# Altium PCB Slave.PcbDoc (part 7 of 10)
Units mm, origin at the board's own origin, x right, y up, seen from the top; angles counter-clockwise.
Board outline 380 x 63 mm, 4 copper layers (Top Copper, Signal Layer 1, Signal Layer 2, Bottom Copper), stack 1.586 mm thick; 259 components, 195 nets, 816 pads, 23336 vias.
Unrouted connection lines stored in the file: 47.
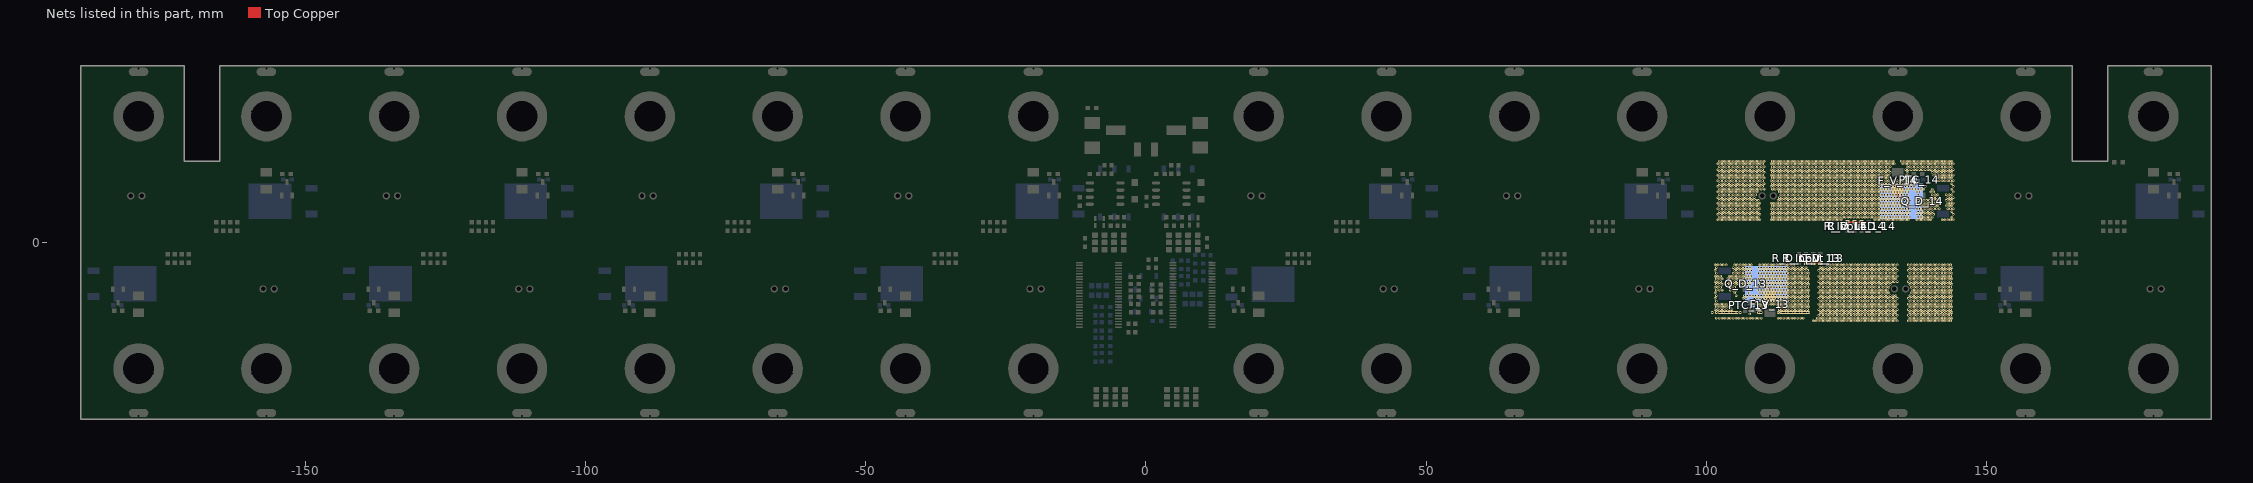
[diagram p9: the nets of this part, all layers, seen from the top]

## Via types
v1: diameter 0.45, hole 0.2, Top Copper to Bottom Copper, tented both sides, 23076 vias
v2: diameter 0.45, hole 0.2, Top Copper to Bottom Copper, 250 vias
v3: diameter 1.2, hole 0.8, Top Copper to Bottom Copper, 10 vias

## Nets (pads, with @x,y where several pads share a name; then routed paths per layer and width w, separated by ;. In a path a pad name is that pad's centre, name@x,y a point inside that pad or via, vN(x,y) a via of type N, cw(c..) or ccw(c..) an arc to the next point about the centre after c; other vN are vias at no path point) (continued)
F_13: C_V_13.2 F_V_13.2 PTC_13.2 Q_D_13.2 R_D_LED_13.2 R_Input_13.1 | length 3.9
  Top Copper w0.254: R_D_LED_13.2@117.75,-3.6 R_Input_13.1@119,-3.6 C_V_13.2@120.25,-3.6
  Top Copper w0.305: F_V_13.2@111.275,-9.48 111.275,-8.1
  other v1: 118.999,-14 119.499,-14 119.999,-14 120.499,-14 120.999,-14 121.499,-14 121.999,-14 122.499,-14 122.999,-14 123.499,-14 123.999,-14 124.499,-14 124.999,-14 125.499,-14 125.999,-14 126.499,-14 126.999,-14 127.499,-14 127.999,-14 128.499,-14 128.999,-14 129.499,-14 129.999,-14 130.499,-14 130.999,-14 131.499,-14 131.999,-14 132.499,-14 132.999,-14 133.499,-14 133.999,-14 135.999,-14 136.499,-14 136.999,-14 137.499,-14 137.999,-14 138.499,-14 138.999,-14 139.499,-14 139.999,-14 140.499,-14 140.999,-14 141.499,-14 141.999,-14 142.499,-14 142.999,-14 143.499,-14 101.749,-13.5 102.249,-13.5 102.749,-13.5 103.249,-13.5 103.749,-13.5 104.249,-13.5 104.749,-13.5 105.249,-13.5 105.749,-13.5 106.249,-13.5 106.749,-13.5 107.249,-13.5 107.749,-13.5 108.249,-13.5 108.749,-13.5 109.249,-13.5 109.749,-13.5 112.749,-13.5 113.249,-13.5 113.749,-13.5 114.249,-13.5 114.749,-13.5 115.249,-13.5 115.749,-13.5 116.249,-13.5 116.749,-13.5 117.249,-13.5 119.749,-13.5 120.249,-13.5 120.749,-13.5 121.249,-13.5 121.749,-13.5 122.249,-13.5 122.749,-13.5 123.249,-13.5 123.749,-13.5 124.249,-13.5 124.749,-13.5 125.249,-13.5 125.749,-13.5 126.249,-13.5 126.749,-13.5 127.249,-13.5 127.749,-13.5 128.249,-13.5 128.749,-13.5 129.249,-13.5 129.749,-13.5 130.249,-13.5 130.749,-13.5 131.249,-13.5 131.749,-13.5 132.249,-13.5 132.749,-13.5 133.249,-13.5 133.749,-13.5 136.249,-13.5 136.749,-13.5 137.249,-13.5 137.749,-13.5 138.249,-13.5 138.749,-13.5 139.249,-13.5 139.749,-13.5 140.249,-13.5 140.749,-13.5 141.249,-13.5 141.749,-13.5 142.249,-13.5 142.749,-13.5 143.249,-13.5 143.749,-13.5 119.999,-13 120.499,-13 120.999,-13 121.499,-13 121.999,-13 122.499,-13 122.999,-13 123.499,-13 123.999,-13 124.499,-13 124.999,-13 125.499,-13 125.999,-13 126.499,-13 126.999,-13 127.499,-13 127.999,-13 128.499,-13 128.999,-13 129.499,-13 129.999,-13 130.499,-13 130.999,-13 131.499,-13 131.999,-13 132.499,-13 132.999,-13 133.499,-13 133.999,-13 135.999,-13 136.499,-13 136.999,-13 137.499,-13 137.999,-13 138.499,-13 138.999,-13 139.499,-13 139.999,-13 140.499,-13 140.999,-13 141.499,-13 141.999,-13 142.499,-13 142.999,-13 143.499,-13 107.658,-12.745 101,-12.5 101.749,-12.5 102.249,-12.5 102.5,-12.5 102.749,-12.5 103,-12.5 103.249,-12.5 103.5,-12.5 103.749,-12.5 104,-12.5 104.249,-12.5 104.5,-12.5 104.749,-12.5 105,-12.5 105.249,-12.5 105.5,-12.5 106,-12.5 109.249,-12.5 109.5,-12.5 109.749,-12.5 112.749,-12.5 113.249,-12.5 113.5,-12.5 113.749,-12.5 114,-12.5 114.249,-12.5 114.5,-12.5 114.749,-12.5 115,-12.5 115.249,-12.5 115.5,-12.5 115.749,-12.5 116,-12.5 116.249,-12.5 116.5,-12.5 116.749,-12.5 117,-12.5 117.249,-12.5 117.5,-12.5 117.749,-12.5 118,-12.5 118.249,-12.5 120.249,-12.5 120.749,-12.5 121.249,-12.5 121.749,-12.5 122.249,-12.5 122.749,-12.5 123.249,-12.5 123.749,-12.5 124.249,-12.5 124.749,-12.5 125.249,-12.5 125.749,-12.5 126.249,-12.5 126.749,-12.5 127.249,-12.5 127.749,-12.5 128.249,-12.5 128.749,-12.5 129.249,-12.5 129.749,-12.5 130.249,-12.5 130.749,-12.5 131.249,-12.5 131.749,-12.5 132.249,-12.5 132.749,-12.5 133.249,-12.5 133.749,-12.5 136.249,-12.5 136.749,-12.5 137.249,-12.5 137.749,-12.5 138.249,-12.5 138.749,-12.5 139.249,-12.5 139.749,-12.5 140.249,-12.5 140.749,-12.5 141.249,-12.5 141.749,-12.5 142.249,-12.5 142.749,-12.5 143.249,-12.5 143.749,-12.5 101.499,-12 101.999,-12 102.499,-12 102.999,-12 103.499,-12 103.999,-12 104.499,-12 109.499,-12 112.999,-12 113.499,-12 113.999,-12 114.499,-12 114.999,-12 115.499,-12 115.999,-12 116.499,-12 116.999,-12 117.499,-12 117.999,-12 119.999,-12 120.499,-12 120.999,-12 121.499,-12 121.999,-12 122.499,-12 122.999,-12 123.499,-12 123.999,-12 124.499,-12 124.999,-12 125.499,-12 125.999,-12 126.499,-12 126.999,-12 127.499,-12 127.999,-12 128.499,-12 128.999,-12 129.499,-12 129.999,-12 130.499,-12 130.999,-12 131.499,-12 131.999,-12 132.499,-12 132.999,-12 133.499,-12 133.999,-12 135.999,-12 136.499,-12 136.999,-12 137.499,-12 137.999,-12 138.499,-12 138.999,-12 139.499,-12 139.999,-12 140.499,-12 140.999,-12 141.499,-12 141.999,-12 142.499,-12 142.999,-12 143.499,-12 107.652,-11.721 101.749,-11.5 102.249,-11.5 102.749,-11.5 103.249,-11.5 103.749,-11.5 104.249,-11.5 109.249,-11.5 109.749,-11.5 112.749,-11.5 113.249,-11.5 113.749,-11.5 114.249,-11.5 114.749,-11.5 115.249,-11.5 115.749,-11.5 116.249,-11.5 116.749,-11.5 117.249,-11.5 117.749,-11.5 118.249,-11.5 120.249,-11.5 120.749,-11.5 121.249,-11.5 121.749,-11.5 122.249,-11.5 122.749,-11.5 123.249,-11.5 123.749,-11.5 124.249,-11.5 124.749,-11.5 125.249,-11.5 125.749,-11.5 126.249,-11.5 126.749,-11.5 127.249,-11.5 127.749,-11.5 128.249,-11.5 128.749,-11.5 129.249,-11.5 129.749,-11.5 130.249,-11.5 130.749,-11.5 131.249,-11.5 131.749,-11.5 132.249,-11.5 132.749,-11.5 133.249,-11.5 133.749,-11.5 136.249,-11.5 136.749,-11.5 137.249,-11.5 137.749,-11.5 138.249,-11.5 138.749,-11.5 139.249,-11.5 139.749,-11.5 140.249,-11.5 140.749,-11.5 141.249,-11.5 141.749,-11.5 142.249,-11.5 142.749,-11.5 143.249,-11.5 143.749,-11.5 101.499,-11 101.999,-11 102.499,-11 102.999,-11 103.499,-11 108.499,-11 108.999,-11 109.499,-11 109.999,-11 110.499,-11 110.999,-11 111.499,-11 111.999,-11 112.499,-11 112.999,-11 113.499,-11 113.999,-11 114.499,-11 114.999,-11 115.499,-11 115.999,-11 116.499,-11 116.999,-11 117.499,-11 117.999,-11 119.999,-11 120.499,-11 120.999,-11 121.499,-11 121.999,-11 122.499,-11 122.999,-11 123.499,-11 123.999,-11 124.499,-11 124.999,-11 125.499,-11 125.999,-11 126.499,-11 126.999,-11 127.499,-11 127.999,-11 128.499,-11 128.999,-11 129.499,-11 129.999,-11 130.499,-11 130.999,-11 131.499,-11 131.999,-11 132.499,-11 132.999,-11 133.499,-11 133.999,-11 135.999,-11 136.499,-11 136.999,-11 137.499,-11 137.999,-11 138.499,-11 138.999,-11 139.499,-11 139.999,-11 140.499,-11 140.999,-11 141.499,-11 141.999,-11 142.499,-11 142.999,-11 143.499,-11 101.749,-10.5 108.749,-10.5 109.249,-10.5 109.749,-10.5 110.249,-10.5 110.749,-10.5 111.249,-10.5 111.749,-10.5 112.249,-10.5 112.749,-10.5 113.249,-10.5 113.749,-10.5 114.249,-10.5 114.749,-10.5 115.249,-10.5 115.749,-10.5 116.249,-10.5 116.749,-10.5 117.249,-10.5 117.749,-10.5 118.249,-10.5 120.249,-10.5 120.749,-10.5 121.249,-10.5 121.749,-10.5 122.249,-10.5 122.749,-10.5 123.249,-10.5 123.749,-10.5 124.249,-10.5 124.749,-10.5 125.249,-10.5 125.749,-10.5 126.249,-10.5 126.749,-10.5 127.249,-10.5 127.749,-10.5 128.249,-10.5 128.749,-10.5 129.249,-10.5 129.749,-10.5 130.249,-10.5 130.749,-10.5 131.249,-10.5 131.749,-10.5 132.249,-10.5 132.749,-10.5 133.249,-10.5 133.749,-10.5 136.249,-10.5 136.749,-10.5 137.249,-10.5 137.749,-10.5 138.249,-10.5 138.749,-10.5 139.249,-10.5 139.749,-10.5 140.249,-10.5 140.749,-10.5 141.249,-10.5 141.749,-10.5 142.249,-10.5 142.749,-10.5 143.249,-10.5 143.749,-10.5 101.499,-10 106.499,-10 106.999,-10 108.499,-10 108.999,-10 109.499,-10 109.999,-10 110.499,-10 110.999,-10 111.499,-10 111.999,-10 112.499,-10 112.999,-10 113.499,-10 113.999,-10 114.499,-10 114.999,-10 115.499,-10 115.999,-10 116.499,-10 116.999,-10 117.499,-10 117.999,-10 119.999,-10 120.499,-10 120.999,-10 121.499,-10 121.999,-10 122.499,-10 122.999,-10 123.499,-10 123.999,-10 124.499,-10 124.999,-10 125.499,-10 125.999,-10 126.499,-10 126.999,-10 127.499,-10 127.999,-10 128.499,-10 128.999,-10 129.499,-10 129.999,-10 130.499,-10 130.999,-10 131.499,-10 131.999,-10 132.499,-10 132.999,-10 133.499,-10 133.999,-10 135.999,-10 136.499,-10 136.999,-10 137.499,-10 137.999,-10 138.499,-10 138.999,-10 139.499,-10 139.999,-10 140.499,-10 140.999,-10 141.499,-10 141.999,-10 142.499,-10 142.999,-10 143.499,-10 101.749,-9.5 105.249,-9.5 106.749,-9.5 107.249,-9.5 107.749,-9.5 108.249,-9.5 108.749,-9.5 109.249,-9.5 109.749,-9.5 110.249,-9.5 110.749,-9.5 111.249,-9.5 111.749,-9.5 112.249,-9.5 112.749,-9.5 113.249,-9.5 113.749,-9.5 114.249,-9.5 114.749,-9.5 115.249,-9.5 115.749,-9.5 116.249,-9.5 116.749,-9.5 117.249,-9.5 117.749,-9.5 118.249,-9.5 120.249,-9.5 120.749,-9.5 121.249,-9.5 121.749,-9.5 122.249,-9.5 122.749,-9.5 123.249,-9.5 123.749,-9.5 124.249,-9.5 124.749,-9.5 125.249,-9.5 125.749,-9.5 126.249,-9.5 126.749,-9.5 127.249,-9.5 127.749,-9.5 128.249,-9.5 128.749,-9.5 129.249,-9.5 129.749,-9.5 130.249,-9.5 130.749,-9.5 131.249,-9.5 131.749,-9.5 132.249,-9.5 132.749,-9.5 133.249,-9.5 133.749,-9.5 136.249,-9.5 136.749,-9.5 137.249,-9.5 137.749,-9.5 138.249,-9.5 138.749,-9.5 139.249,-9.5 139.749,-9.5 140.249,-9.5 140.749,-9.5 141.249,-9.5 141.749,-9.5 142.249,-9.5 142.749,-9.5 143.249,-9.5 143.749,-9.5 101.499,-9 104.999,-9 107.499,-9 109.499,-9 109.999,-9 110.499,-9 110.999,-9 111.499,-9 111.999,-9 112.499,-9 112.999,-9 113.499,-9 113.999,-9 114.499,-9 114.999,-9 115.499,-9 115.999,-9 116.499,-9 116.999,-9 117.499,-9 117.999,-9 119.999,-9 120.499,-9 120.999,-9 121.499,-9 121.999,-9 122.499,-9 122.999,-9 123.499,-9 123.999,-9 124.499,-9 124.999,-9 125.499,-9 125.999,-9 126.499,-9 126.999,-9 127.499,-9 127.999,-9 128.499,-9 128.999,-9 129.499,-9 129.999,-9 130.499,-9 130.999,-9 131.499,-9 131.999,-9 132.499,-9 136.499,-9 136.999,-9 137.499,-9 137.999,-9 138.499,-9 138.999,-9 139.499,-9 139.999,-9 140.499,-9 140.999,-9 141.499,-9 141.999,-9 142.499,-9 142.999,-9 143.499,-9 101.749,-8.5 102.249,-8.5 102.749,-8.5 104.249,-8.5 104.749,-8.5 105.249,-8.5 107.749,-8.5 109.249,-8.5 109.749,-8.5 110.249,-8.5 110.749,-8.5 111.249,-8.5 111.749,-8.5 112.249,-8.5 112.749,-8.5 113.249,-8.5 113.749,-8.5 114.249,-8.5 114.749,-8.5 115.249,-8.5 115.749,-8.5 116.249,-8.5 116.749,-8.5 117.249,-8.5 117.749,-8.5 118.249,-8.5 120.249,-8.5 120.749,-8.5 121.249,-8.5 121.749,-8.5 122.249,-8.5 122.749,-8.5 123.249,-8.5 123.749,-8.5 124.249,-8.5 124.749,-8.5 125.249,-8.5 125.749,-8.5 126.249,-8.5 126.749,-8.5 127.249,-8.5 127.749,-8.5 128.249,-8.5 128.749,-8.5 129.249,-8.5 129.749,-8.5 130.249,-8.5 130.749,-8.5 131.249,-8.5 131.749,-8.5 132.249,-8.5 136.749,-8.5 137.249,-8.5 137.749,-8.5 138.249,-8.5 138.749,-8.5 139.249,-8.5 139.749,-8.5 140.249,-8.5 140.749,-8.5 141.249,-8.5 141.749,-8.5 142.249,-8.5 142.749,-8.5 143.249,-8.5 143.749,-8.5 101.499,-8 101.999,-8 102.499,-8 103.999,-8 104.499,-8 104.999,-8 107.499,-8 109.499,-8 109.999,-8 110.499,-8 110.999,-8 111.499,-8 111.999,-8 112.499,-8 112.999,-8 113.499,-8 113.999,-8 114.499,-8 114.999,-8 115.499,-8 115.999,-8 116.499,-8 116.999,-8 117.499,-8 117.999,-8 119.999,-8 120.499,-8 120.999,-8 121.499,-8 121.999,-8 122.499,-8 122.999,-8 123.499,-8 123.999,-8 124.499,-8 124.999,-8 125.499,-8 125.999,-8 126.499,-8 126.999,-8 127.499,-8 127.999,-8 128.499,-8 128.999,-8 129.499,-8 129.999,-8 130.499,-8 130.999,-8 131.499,-8 131.999,-8 132.499,-8 136.499,-8 136.999,-8 137.499,-8 137.999,-8 138.499,-8 138.999,-8 139.499,-8 139.999,-8 140.499,-8 140.999,-8 141.499,-8 141.999,-8 142.499,-8 142.999,-8 143.499,-8 101.749,-7.5 102.249,-7.5 102.749,-7.5 103.749,-7.5 104.249,-7.5 104.749,-7.5 105.249,-7.5 105.749,-7.5 106.249,-7.5 106.749,-7.5 107.249,-7.5 107.749,-7.5 109.249,-7.5 109.749,-7.5 110.249,-7.5 110.749,-7.5 111.249,-7.5 111.749,-7.5 112.249,-7.5 112.749,-7.5 113.249,-7.5 113.749,-7.5 114.249,-7.5 114.749,-7.5 115.249,-7.5 115.749,-7.5 116.249,-7.5 116.749,-7.5 117.249,-7.5 117.749,-7.5 118.249,-7.5 120.249,-7.5 120.749,-7.5 121.249,-7.5 121.749,-7.5 122.249,-7.5 122.749,-7.5 123.249,-7.5 123.749,-7.5 124.249,-7.5 124.749,-7.5 125.249,-7.5 125.749,-7.5 126.249,-7.5 126.749,-7.5 127.249,-7.5 127.749,-7.5 128.249,-7.5 128.749,-7.5 129.249,-7.5 129.749,-7.5 130.249,-7.5 130.749,-7.5 131.249,-7.5 131.749,-7.5 132.249,-7.5 132.749,-7.5 136.249,-7.5 136.749,-7.5 137.249,-7.5 137.749,-7.5 138.249,-7.5 138.749,-7.5 139.249,-7.5 139.749,-7.5 140.249,-7.5 140.749,-7.5 141.249,-7.5 141.749,-7.5 142.249,-7.5 142.749,-7.5 143.249,-7.5 143.749,-7.5 101.499,-7 101.999,-7 102.499,-7 103.999,-7 104.499,-7 104.999,-7 105.499,-7 105.999,-7 106.499,-7 106.999,-7 107.499,-7 107.999,-7 109.499,-7 109.999,-7 110.499,-7 110.999,-7 111.499,-7 111.999,-7 112.499,-7 112.999,-7 113.499,-7 113.999,-7 114.499,-7 114.999,-7 115.499,-7 115.999,-7 116.499,-7 116.999,-7 117.499,-7 117.999,-7 119.999,-7 120.499,-7 120.999,-7 121.499,-7 121.999,-7 122.499,-7 122.999,-7 123.499,-7 123.999,-7 124.499,-7 124.999,-7 125.499,-7 125.999,-7 126.499,-7 126.999,-7 127.499,-7 127.999,-7 128.499,-7 128.999,-7 129.499,-7 129.999,-7 130.499,-7 130.999,-7 131.499,-7 131.999,-7 132.499,-7 132.999,-7 133.499,-7 133.999,-7 135.999,-7 136.499,-7 136.999,-7 137.499,-7 137.999,-7 138.499,-7 138.999,-7 139.499,-7 139.999,-7 140.499,-7 140.999,-7 141.499,-7 141.999,-7 142.499,-7 142.999,-7 143.499,-7 101.749,-6.5 102.249,-6.5 102.749,-6.5 103.749,-6.5 104.249,-6.5 104.749,-6.5 105.249,-6.5 105.749,-6.5 106.249,-6.5 106.749,-6.5 107.249,-6.5 107.749,-6.5 109.249,-6.5 109.749,-6.5 110.249,-6.5 110.749,-6.5 111.249,-6.5 111.749,-6.5 112.249,-6.5 112.749,-6.5 113.249,-6.5 113.749,-6.5 114.249,-6.5 114.749,-6.5 115.249,-6.5 115.749,-6.5 116.249,-6.5 116.749,-6.5 117.249,-6.5 117.749,-6.5 118.249,-6.5 120.249,-6.5 120.749,-6.5 121.249,-6.5 121.749,-6.5 122.249,-6.5 122.749,-6.5 123.249,-6.5 123.749,-6.5 124.249,-6.5 124.749,-6.5 125.249,-6.5 125.749,-6.5 126.249,-6.5 126.749,-6.5 127.249,-6.5 127.749,-6.5 128.249,-6.5 128.749,-6.5 129.249,-6.5 129.749,-6.5 130.249,-6.5 130.749,-6.5 131.249,-6.5 131.749,-6.5 132.249,-6.5 132.749,-6.5 133.249,-6.5 133.749,-6.5 136.249,-6.5 136.749,-6.5 137.249,-6.5 137.749,-6.5 138.249,-6.5 138.749,-6.5 139.249,-6.5 139.749,-6.5 140.249,-6.5 140.749,-6.5 141.249,-6.5 141.749,-6.5 142.249,-6.5 142.749,-6.5 143.249,-6.5 143.749,-6.5 101.499,-6 101.999,-6 102.499,-6 103.999,-6 104.499,-6 104.999,-6 105.499,-6 105.999,-6 106.499,-6 106.999,-6 107.499,-6 107.999,-6 109.499,-6 109.999,-6 110.499,-6 110.999,-6 111.499,-6 111.999,-6 112.499,-6 112.999,-6 113.499,-6 113.999,-6 114.499,-6 114.999,-6 115.499,-6 115.999,-6 116.499,-6 116.999,-6 117.499,-6 117.999,-6 119.999,-6 120.499,-6 120.999,-6 121.499,-6 121.999,-6 122.499,-6 122.999,-6 123.499,-6 123.999,-6 124.499,-6 124.999,-6 125.499,-6 125.999,-6 126.499,-6 126.999,-6 127.499,-6 127.999,-6 128.499,-6 128.999,-6 129.499,-6 129.999,-6 130.499,-6 130.999,-6 131.499,-6 131.999,-6 132.499,-6 132.999,-6 133.499,-6 133.999,-6 135.999,-6 136.499,-6 136.999,-6 137.499,-6 137.999,-6 138.499,-6 138.999,-6 139.499,-6 139.999,-6 140.499,-6 140.999,-6 141.499,-6 141.999,-6 142.499,-6 142.999,-6 143.499,-6 101.749,-5.5 104.749,-5.5 105.249,-5.5 105.749,-5.5 106.249,-5.5 106.749,-5.5 107.249,-5.5 107.749,-5.5 109.249,-5.5 109.749,-5.5 110.249,-5.5 110.749,-5.5 111.249,-5.5 111.749,-5.5 112.249,-5.5 112.749,-5.5 113.249,-5.5 113.749,-5.5 114.249,-5.5 114.749,-5.5 115.249,-5.5 115.749,-5.5 116.249,-5.5 116.749,-5.5 117.249,-5.5 117.749,-5.5 118.249,-5.5 120.249,-5.5 120.749,-5.5 121.249,-5.5 121.749,-5.5 122.249,-5.5 122.749,-5.5 123.249,-5.5 123.749,-5.5 124.249,-5.5 124.749,-5.5 125.249,-5.5 125.749,-5.5 126.249,-5.5 126.749,-5.5 127.249,-5.5 127.749,-5.5 128.249,-5.5 128.749,-5.5 129.249,-5.5 129.749,-5.5 130.249,-5.5 130.749,-5.5 131.249,-5.5 131.749,-5.5 132.249,-5.5 132.749,-5.5 133.249,-5.5 133.749,-5.5 136.249,-5.5 136.749,-5.5 137.249,-5.5 137.749,-5.5 138.249,-5.5 138.749,-5.5 139.249,-5.5 139.749,-5.5 140.249,-5.5 140.749,-5.5 141.249,-5.5 141.749,-5.5 142.249,-5.5 142.749,-5.5 143.249,-5.5 143.749,-5.5 101.499,-5 104.999,-5 105.499,-5 105.999,-5 106.499,-5 106.999,-5 107.499,-5 107.999,-5 109.499,-5 109.999,-5 110.499,-5 110.999,-5 111.499,-5 111.999,-5 112.499,-5 112.999,-5 113.499,-5 113.999,-5 114.499,-5 114.999,-5 115.499,-5 115.999,-5 116.499,-5 116.999,-5 117.499,-5 117.999,-5 119.999,-5 120.499,-5 120.999,-5 121.499,-5 121.999,-5 122.499,-5 122.999,-5 123.499,-5 123.999,-5 124.499,-5 124.999,-5 125.499,-5 125.999,-5 126.499,-5 126.999,-5 127.499,-5 127.999,-5 128.499,-5 128.999,-5 129.499,-5 129.999,-5 130.499,-5 130.999,-5 131.499,-5 131.999,-5 132.499,-5 132.999,-5 133.499,-5 133.999,-5 135.999,-5 136.499,-5 136.999,-5 137.499,-5 137.999,-5 138.499,-5 138.999,-5 139.499,-5 139.999,-5 140.499,-5 140.999,-5 141.499,-5 141.999,-5 142.499,-5 142.999,-5 143.499,-5 101.749,-4.5 104.749,-4.5 105.249,-4.5 105.749,-4.5 106.249,-4.5 106.749,-4.5 107.249,-4.5 107.749,-4.5 109.249,-4.5 109.749,-4.5 110.249,-4.5 110.749,-4.5 111.249,-4.5 111.749,-4.5 112.249,-4.5 112.749,-4.5 113.249,-4.5 113.749,-4.5 114.249,-4.5 114.749,-4.5 115.249,-4.5 115.749,-4.5 116.249,-4.5 116.749,-4.5 117.249,-4.5 117.749,-4.5 120.249,-4.5 120.749,-4.5 121.249,-4.5 121.749,-4.5 122.249,-4.5 122.749,-4.5 123.249,-4.5 123.749,-4.5 124.249,-4.5 124.749,-4.5 125.249,-4.5 125.749,-4.5 126.249,-4.5 126.749,-4.5 127.249,-4.5 127.749,-4.5 128.249,-4.5 128.749,-4.5 129.249,-4.5 129.749,-4.5 130.249,-4.5 130.749,-4.5 131.249,-4.5 131.749,-4.5 132.249,-4.5 132.749,-4.5 133.249,-4.5 133.749,-4.5 136.249,-4.5 136.749,-4.5 137.249,-4.5 137.749,-4.5 138.249,-4.5 138.749,-4.5 139.249,-4.5 139.749,-4.5 140.249,-4.5 140.749,-4.5 141.249,-4.5 141.749,-4.5 142.249,-4.5 142.749,-4.5 143.249,-4.5 143.749,-4.5 101.499,-4 101.999,-4 102.499,-4 102.999,-4 103.499,-4 104.999,-4 105.499,-4 105.999,-4 106.499,-4 106.999,-4 107.499,-4 107.999,-4 109.499,-4 109.999,-4 110.499,-4 110.999,-4 111.499,-4 111.999,-4 112.499,-4 112.999,-4 113.499,-4 113.999,-4 114.499,-4 114.999,-4 115.499,-4 121.499,-4 121.999,-4 122.499,-4 122.999,-4 123.499,-4 123.999,-4 124.499,-4 124.999,-4 125.499,-4 125.999,-4 126.499,-4 126.999,-4 127.499,-4 127.999,-4 128.499,-4 128.999,-4 129.499,-4 129.999,-4 130.499,-4 130.999,-4 131.499,-4 131.999,-4 132.499,-4 132.999,-4 133.499,-4 133.999,-4 135.999,-4 136.499,-4 136.999,-4 137.499,-4 137.999,-4 138.499,-4 138.999,-4 139.499,-4 139.999,-4 140.499,-4 140.999,-4 141.499,-4 141.999,-4 142.499,-4 142.999,-4 143.499,-4
F_14: C_V_14.2 F_V_14.2 PTC_14.2 Q_D_14.2 R_D_LED_14.2 R_Input_14.1 | length 3.9
  Top Copper w0.254: C_V_14.2@125.15,3.6 R_Input_14.1@126.4,3.6 R_D_LED_14.2@127.65,3.6
  Top Copper w0.305: v1@134.125,8.1 F_V_14.2@134.125,9.48
  other v1: 101.999,4 102.499,4 102.999,4 103.499,4 103.999,4 104.499,4 104.999,4 105.499,4 105.999,4 106.499,4 106.999,4 107.499,4 107.999,4 108.499,4 108.999,4 109.499,4 111.499,4 111.999,4 112.499,4 112.999,4 113.499,4 113.999,4 114.499,4 114.999,4 115.499,4 115.999,4 116.499,4 116.999,4 117.499,4 117.999,4 118.499,4 118.999,4 119.499,4 119.999,4 120.499,4 120.999,4 121.499,4 121.999,4 122.499,4 122.999,4 123.499,4 123.999,4 129.999,4 130.499,4 130.999,4 131.499,4 131.999,4 132.499,4 132.999,4 133.499,4 133.999,4 134.499,4 134.999,4 135.499,4 135.999,4 137.499,4 137.999,4 138.499,4 138.999,4 139.499,4 139.999,4 141.999,4 142.499,4 142.999,4 143.499,4 143.999,4 102.249,4.5 102.749,4.5 103.249,4.5 103.749,4.5 104.249,4.5 104.749,4.5 105.249,4.5 105.749,4.5 106.249,4.5 106.749,4.5 107.249,4.5 107.749,4.5 108.249,4.5 108.749,4.5 109.249,4.5 111.749,4.5 112.249,4.5 112.749,4.5 113.249,4.5 113.749,4.5 114.249,4.5 114.749,4.5 115.249,4.5 115.749,4.5 116.249,4.5 116.749,4.5 117.249,4.5 117.749,4.5 118.249,4.5 118.749,4.5 119.249,4.5 119.749,4.5 120.249,4.5 120.749,4.5 121.249,4.5 121.749,4.5 122.249,4.5 122.749,4.5 123.249,4.5 123.749,4.5 124.249,4.5 124.749,4.5 125.249,4.5 125.749,4.5 126.249,4.5 126.749,4.5 127.249,4.5 127.749,4.5 128.249,4.5 128.749,4.5 129.249,4.5 129.749,4.5 130.249,4.5 130.749,4.5 131.249,4.5 131.749,4.5 132.249,4.5 132.749,4.5 133.249,4.5 133.749,4.5 134.249,4.5 134.749,4.5 135.249,4.5 135.749,4.5 136.249,4.5 137.749,4.5 138.249,4.5 138.749,4.5 139.249,4.5 139.749,4.5 140.249,4.5 143.749,4.5 101.999,5 102.499,5 102.999,5 103.499,5 103.999,5 104.499,5 104.999,5 105.499,5 105.999,5 106.499,5 106.999,5 107.499,5 107.999,5 108.499,5 108.999,5 109.499,5 111.499,5 111.999,5 112.499,5 112.999,5 113.499,5 113.999,5 114.499,5 114.999,5 115.499,5 115.999,5 116.499,5 116.999,5 117.499,5 117.999,5 118.499,5 118.999,5 119.499,5 119.999,5 120.499,5 120.999,5 121.499,5 121.999,5 122.499,5 122.999,5 123.499,5 123.999,5 124.499,5 124.999,5 125.499,5 125.999,5 126.499,5 126.999,5 127.499,5 127.999,5 128.499,5 128.999,5 129.499,5 129.999,5 130.499,5 130.999,5 131.499,5 131.999,5 132.499,5 132.999,5 133.499,5 133.999,5 134.499,5 134.999,5 135.499,5 135.999,5 137.499,5 137.999,5 138.499,5 138.999,5 139.499,5 139.999,5 140.499,5 143.999,5 102.249,5.5 102.749,5.5 103.249,5.5 103.749,5.5 104.249,5.5 104.749,5.5 105.249,5.5 105.749,5.5 106.249,5.5 106.749,5.5 107.249,5.5 107.749,5.5 108.249,5.5 108.749,5.5 109.249,5.5 111.749,5.5 112.249,5.5 112.749,5.5 113.249,5.5 113.749,5.5 114.249,5.5 114.749,5.5 115.249,5.5 115.749,5.5 116.249,5.5 116.749,5.5 117.249,5.5 117.749,5.5 118.249,5.5 118.749,5.5 119.249,5.5 119.749,5.5 120.249,5.5 120.749,5.5 121.249,5.5 121.749,5.5 122.249,5.5 122.749,5.5 123.249,5.5 123.749,5.5 124.249,5.5 124.749,5.5 125.249,5.5 125.749,5.5 126.249,5.5 126.749,5.5 127.249,5.5 127.749,5.5 128.249,5.5 128.749,5.5 129.249,5.5 129.749,5.5 130.249,5.5 130.749,5.5 131.249,5.5 131.749,5.5 132.249,5.5 132.749,5.5 133.249,5.5 133.749,5.5 134.249,5.5 134.749,5.5 135.249,5.5 135.749,5.5 136.249,5.5 137.749,5.5 138.249,5.5 138.749,5.5 139.249,5.5 139.749,5.5 140.249,5.5 143.749,5.5 101.999,6 102.499,6 102.999,6 103.499,6 103.999,6 104.499,6 104.999,6 105.499,6 105.999,6 106.499,6 106.999,6 107.499,6 107.999,6 108.499,6 108.999,6 109.499,6 111.499,6 111.999,6 112.499,6 112.999,6 113.499,6 113.999,6 114.499,6 114.999,6 115.499,6 115.999,6 116.499,6 116.999,6 117.499,6 117.999,6 118.499,6 118.999,6 119.499,6 119.999,6 120.499,6 120.999,6 121.499,6 121.999,6 122.499,6 122.999,6 123.499,6 123.999,6 124.499,6 124.999,6 125.499,6 125.999,6 126.499,6 126.999,6 127.499,6 127.999,6 128.499,6 128.999,6 129.499,6 129.999,6 130.499,6 130.999,6 131.499,6 131.999,6 132.499,6 132.999,6 133.499,6 133.999,6 134.499,6 134.999,6 135.499,6 135.999,6 137.499,6 137.999,6 138.499,6 138.999,6 139.499,6 139.999,6 140.499,6 140.999,6 141.499,6 142.999,6 143.499,6 143.999,6 102.249,6.5 102.749,6.5 103.249,6.5 103.749,6.5 104.249,6.5 104.749,6.5 105.249,6.5 105.749,6.5 106.249,6.5 106.749,6.5 107.249,6.5 107.749,6.5 108.249,6.5 108.749,6.5 109.249,6.5 111.749,6.5 112.249,6.5 112.749,6.5 113.249,6.5 113.749,6.5 114.249,6.5 114.749,6.5 115.249,6.5 115.749,6.5 116.249,6.5 116.749,6.5 117.249,6.5 117.749,6.5 118.249,6.5 118.749,6.5 119.249,6.5 119.749,6.5 120.249,6.5 120.749,6.5 121.249,6.5 121.749,6.5 122.249,6.5 122.749,6.5 123.249,6.5 123.749,6.5 124.249,6.5 124.749,6.5 125.249,6.5 125.749,6.5 126.249,6.5 126.749,6.5 127.249,6.5 127.749,6.5 128.249,6.5 128.749,6.5 129.249,6.5 129.749,6.5 130.249,6.5 130.749,6.5 131.249,6.5 131.749,6.5 132.249,6.5 132.749,6.5 133.249,6.5 133.749,6.5 134.249,6.5 134.749,6.5 135.249,6.5 135.749,6.5 136.249,6.5 137.749,6.5 138.249,6.5 138.749,6.5 139.249,6.5 139.749,6.5 140.249,6.5 140.749,6.5 141.249,6.5 142.749,6.5 143.249,6.5 143.749,6.5 101.999,7 102.499,7 102.999,7 103.499,7 103.999,7 104.499,7 104.999,7 105.499,7 105.999,7 106.499,7 106.999,7 107.499,7 107.999,7 108.499,7 108.999,7 109.499,7 111.499,7 111.999,7 112.499,7 112.999,7 113.499,7 113.999,7 114.499,7 114.999,7 115.499,7 115.999,7 116.499,7 116.999,7 117.499,7 117.999,7 118.499,7 118.999,7 119.499,7 119.999,7 120.499,7 120.999,7 121.499,7 121.999,7 122.499,7 122.999,7 123.499,7 123.999,7 124.499,7 124.999,7 125.499,7 125.999,7 126.499,7 126.999,7 127.499,7 127.999,7 128.499,7 128.999,7 129.499,7 129.999,7 130.499,7 130.999,7 131.499,7 131.999,7 132.499,7 132.999,7 133.499,7 133.999,7 134.499,7 134.999,7 135.499,7 135.999,7 137.499,7 137.999,7 138.499,7 138.999,7 139.499,7 139.999,7 140.499,7 140.999,7 141.499,7 142.999,7 143.499,7 143.999,7 102.249,7.5 102.749,7.5 103.249,7.5 103.749,7.5 104.249,7.5 104.749,7.5 105.249,7.5 105.749,7.5 106.249,7.5 106.749,7.5 107.249,7.5 107.749,7.5 108.249,7.5 108.749,7.5 109.249,7.5 112.749,7.5 113.249,7.5 113.749,7.5 114.249,7.5 114.749,7.5 115.249,7.5 115.749,7.5 116.249,7.5 116.749,7.5 117.249,7.5 117.749,7.5 118.249,7.5 118.749,7.5 119.249,7.5 119.749,7.5 120.249,7.5 120.749,7.5 121.249,7.5 121.749,7.5 122.249,7.5 122.749,7.5 123.249,7.5 123.749,7.5 124.249,7.5 124.749,7.5 125.249,7.5 125.749,7.5 126.249,7.5 126.749,7.5 127.249,7.5 127.749,7.5 128.249,7.5 128.749,7.5 129.249,7.5 129.749,7.5 130.249,7.5 130.749,7.5 131.249,7.5 131.749,7.5 132.249,7.5 132.749,7.5 133.249,7.5 133.749,7.5 134.249,7.5 134.749,7.5 135.249,7.5 135.749,7.5 136.249,7.5 137.749,7.5 138.249,7.5 138.749,7.5 139.249,7.5 139.749,7.5 140.249,7.5 140.749,7.5 141.249,7.5 142.749,7.5 143.249,7.5 143.749,7.5 101.999,8 102.499,8 102.999,8 103.499,8 103.999,8 104.499,8 104.999,8 105.499,8 105.999,8 106.499,8 106.999,8 107.499,8 107.999,8 108.499,8 112.999,8 113.499,8 113.999,8 114.499,8 114.999,8 115.499,8 115.999,8 116.499,8 116.999,8 117.499,8 117.999,8 118.499,8 118.999,8 119.499,8 119.999,8 120.499,8 120.999,8 121.499,8 121.999,8 122.499,8 122.999,8 123.499,8 123.999,8 124.499,8 124.999,8 125.499,8 125.999,8 126.499,8 126.999,8 127.499,8 127.999,8 128.499,8 128.999,8 129.499,8 129.999,8 130.499,8 130.999,8 131.499,8 131.999,8 132.499,8 132.999,8 133.499,8 133.999,8 134.499,8 134.999,8 135.499,8 135.999,8 137.499,8 137.999,8 139.999,8 140.499,8 140.999,8 141.499,8 142.999,8 143.499,8 143.999,8 102.249,8.5 102.749,8.5 103.249,8.5 103.749,8.5 104.249,8.5 104.749,8.5 105.249,8.5 105.749,8.5 106.249,8.5 106.749,8.5 107.249,8.5 107.749,8.5 108.249,8.5 108.749,8.5 113.249,8.5 113.749,8.5 114.249,8.5 114.749,8.5 115.249,8.5 115.749,8.5 116.249,8.5 116.749,8.5 117.249,8.5 117.749,8.5 118.249,8.5 118.749,8.5 119.249,8.5 119.749,8.5 120.249,8.5 120.749,8.5 121.249,8.5 121.749,8.5 122.249,8.5 122.749,8.5 123.249,8.5 123.749,8.5 124.249,8.5 124.749,8.5 125.249,8.5 125.749,8.5 126.249,8.5 126.749,8.5 127.249,8.5 127.749,8.5 128.249,8.5 128.749,8.5 129.249,8.5 129.749,8.5 130.249,8.5 130.749,8.5 131.249,8.5 131.749,8.5 132.249,8.5 132.749,8.5 133.249,8.5 133.749,8.5 134.249,8.5 134.749,8.5 135.249,8.5 135.749,8.5 137.749,8.5 140.249,8.5 140.749,8.5 141.249,8.5 142.749,8.5 143.249,8.5 143.749,8.5 101.999,9 102.499,9 102.999,9 103.499,9 103.999,9 104.499,9 104.999,9 105.499,9 105.999,9 106.499,9 106.999,9 107.499,9 107.999,9 108.499,9 108.999,9 112.999,9 113.499,9 113.999,9 114.499,9 114.999,9 115.499,9 115.999,9 116.499,9 116.999,9 117.499,9 117.999,9 118.499,9 118.999,9 119.499,9 119.999,9 120.499,9 120.999,9 121.499,9 121.999,9 122.499,9 122.999,9 123.499,9 123.999,9 124.499,9 124.999,9 125.499,9 125.999,9 126.499,9 126.999,9 127.499,9 127.999,9 128.499,9 128.999,9 129.499,9 129.999,9 130.499,9 130.999,9 131.499,9 131.999,9 132.499,9 132.999,9 133.499,9 133.999,9 134.499,9 134.999,9 135.499,9 135.999,9 137.499,9 137.999,9 139.999,9 140.499,9 143.999,9 102.249,9.5 102.749,9.5 103.249,9.5 103.749,9.5 104.249,9.5 104.749,9.5 105.249,9.5 105.749,9.5 106.249,9.5 106.749,9.5 107.249,9.5 107.749,9.5 108.249,9.5 108.749,9.5 109.249,9.5 109.749,9.5 110.249,9.5 111.749,9.5 112.249,9.5 112.749,9.5 113.249,9.5 113.749,9.5 114.249,9.5 114.749,9.5 115.249,9.5 115.749,9.5 116.249,9.5 116.749,9.5 117.249,9.5 117.749,9.5 118.249,9.5 118.749,9.5 119.249,9.5 119.749,9.5 120.249,9.5 120.749,9.5 121.249,9.5 121.749,9.5 122.249,9.5 122.749,9.5 123.249,9.5 123.749,9.5 124.249,9.5 124.749,9.5 125.249,9.5 125.749,9.5 126.249,9.5 126.749,9.5 127.249,9.5 127.749,9.5 128.249,9.5 128.749,9.5 129.249,9.5 129.749,9.5 130.249,9.5 130.749,9.5 131.249,9.5 131.749,9.5 132.249,9.5 132.749,9.5 133.249,9.5 133.749,9.5 134.249,9.5 134.749,9.5 135.249,9.5 135.749,9.5 136.249,9.5 136.749,9.5 137.249,9.5 137.749,9.5 138.249,9.5 138.749,9.5 140.249,9.5 143.749,9.5 101.999,10 102.499,10 102.999,10 103.499,10 103.999,10 104.499,10 104.999,10 105.499,10 105.999,10 106.499,10 106.999,10 107.499,10 107.999,10 108.499,10 108.999,10 109.499,10 109.999,10 111.499,10 111.999,10 112.499,10 112.999,10 113.499,10 113.999,10 114.499,10 114.999,10 115.499,10 115.999,10 116.499,10 116.999,10 117.499,10 117.999,10 118.499,10 118.999,10 119.499,10 119.999,10 120.499,10 120.999,10 121.499,10 121.999,10 122.499,10 122.999,10 123.499,10 123.999,10 124.499,10 124.999,10 125.499,10 125.999,10 126.499,10 126.999,10 127.499,10 127.999,10 128.499,10 128.999,10 129.499,10 129.999,10 130.499,10 130.999,10 131.499,10 131.999,10 132.499,10 132.999,10 133.499,10 133.999,10 134.499,10 134.999,10 135.499,10 135.999,10 136.499,10 136.999,10 138.499,10 138.999,10 143.999,10 102.249,10.5 102.749,10.5 103.249,10.5 103.749,10.5 104.249,10.5 104.749,10.5 105.249,10.5 105.749,10.5 106.249,10.5 106.749,10.5 107.249,10.5 107.749,10.5 108.249,10.5 108.749,10.5 109.249,10.5 109.749,10.5 110.249,10.5 111.749,10.5 112.249,10.5 112.749,10.5 113.249,10.5 113.749,10.5 114.249,10.5 114.749,10.5 115.249,10.5 115.749,10.5 116.249,10.5 116.749,10.5 117.249,10.5 117.749,10.5 118.249,10.5 118.749,10.5 119.249,10.5 119.749,10.5 120.249,10.5 120.749,10.5 121.249,10.5 121.749,10.5 122.249,10.5 122.749,10.5 123.249,10.5 123.749,10.5 124.249,10.5 124.749,10.5 125.249,10.5 125.749,10.5 126.249,10.5 126.749,10.5 127.249,10.5 127.749,10.5 128.249,10.5 128.749,10.5 129.249,10.5 129.749,10.5 130.249,10.5 130.749,10.5 131.249,10.5 131.749,10.5 132.249,10.5 132.749,10.5 133.249,10.5 133.749,10.5 134.249,10.5 134.749,10.5 135.249,10.5 135.749,10.5 136.249,10.5 136.749,10.5 143.749,10.5 101.999,11 102.499,11 102.999,11 103.499,11 103.999,11 104.499,11 104.999,11 105.499,11 105.999,11 106.499,11 106.999,11 107.499,11 107.999,11 108.499,11 108.999,11 109.499,11 109.999,11 111.499,11 111.999,11 112.499,11 112.999,11 113.499,11 113.999,11 114.499,11 114.999,11 115.499,11 115.999,11 116.499,11 116.999,11 117.499,11 117.999,11 118.499,11 118.999,11 119.499,11 119.999,11 120.499,11 120.999,11 121.499,11 121.999,11 122.499,11 122.999,11 123.499,11 123.999,11 124.499,11 124.999,11 125.499,11 125.999,11 126.499,11 126.999,11 127.499,11 127.999,11 128.499,11 128.999,11 129.499,11 129.999,11 130.499,11 130.999,11 131.499,11 131.999,11 132.499,11 132.999,11 133.499,11 133.999,11 134.499,11 134.999,11 135.499,11 135.999,11 136.499,11 136.999,11 141.499,11 141.999,11 142.499,11 142.999,11 143.499,11 143.999,11 102.249,11.5 102.749,11.5 103.249,11.5 103.749,11.5 104.249,11.5 104.749,11.5 105.249,11.5 105.749,11.5 106.249,11.5 106.749,11.5 107.249,11.5 107.749,11.5 108.249,11.5 108.749,11.5 109.249,11.5 109.749,11.5 110.249,11.5 111.749,11.5 112.249,11.5 112.749,11.5 113.249,11.5 113.749,11.5 114.249,11.5 114.749,11.5 115.249,11.5 115.749,11.5 116.249,11.5 116.749,11.5 117.249,11.5 117.749,11.5 118.249,11.5 118.749,11.5 119.249,11.5 119.749,11.5 120.249,11.5 120.749,11.5 121.249,11.5 121.749,11.5 122.249,11.5 122.749,11.5 123.249,11.5 123.749,11.5 124.249,11.5 124.749,11.5 125.249,11.5 125.749,11.5 126.249,11.5 126.749,11.5 127.249,11.5 127.749,11.5 128.249,11.5 128.749,11.5 129.249,11.5 129.749,11.5 130.249,11.5 130.749,11.5 131.249,11.5 131.749,11.5 132.249,11.5 132.749,11.5 135.749,11.5 136.249,11.5 141.249,11.5 141.749,11.5 142.249,11.5 142.749,11.5 143.249,11.5 143.749,11.5 101.999,12 102.499,12 102.999,12 103.499,12 103.999,12 104.499,12 104.999,12 105.499,12 105.999,12 106.499,12 106.999,12 107.499,12 107.999,12 108.499,12 108.999,12 109.499,12 109.999,12 111.499,12 111.999,12 112.499,12 112.999,12 113.499,12 113.999,12 114.499,12 114.999,12 115.499,12 115.999,12 116.499,12 116.999,12 117.499,12 117.999,12 118.499,12 118.999,12 119.499,12 119.999,12 120.499,12 120.999,12 121.499,12 121.999,12 122.499,12 122.999,12 123.499,12 123.999,12 124.499,12 124.999,12 125.499,12 125.999,12 126.499,12 126.999,12 127.499,12 127.999,12 128.499,12 128.999,12 129.499,12 129.999,12 130.499,12 130.999,12 131.499,12 131.999,12 132.499,12 135.499,12 135.999,12 140.499,12 140.999,12 141.499,12 141.999,12 142.499,12 142.999,12 143.499,12 143.999,12 102.249,12.5 102.749,12.5 103.249,12.5 103.749,12.5 104.249,12.5 104.749,12.5 105.249,12.5 105.749,12.5 106.249,12.5 106.749,12.5 107.249,12.5 107.749,12.5 108.249,12.5 108.749,12.5 109.249,12.5 109.749,12.5 110.249,12.5 111.749,12.5 112.249,12.5 112.749,12.5 113.249,12.5 113.749,12.5 114.249,12.5 114.749,12.5 115.249,12.5 115.749,12.5 116.249,12.5 116.749,12.5 117.249,12.5 117.749,12.5 118.249,12.5 118.749,12.5 119.249,12.5 119.749,12.5 120.249,12.5 120.749,12.5 121.249,12.5 121.749,12.5 122.249,12.5 122.749,12.5 123.249,12.5 123.749,12.5 124.249,12.5 124.749,12.5 125.249,12.5 125.749,12.5 126.249,12.5 126.749,12.5 127.249,12.5 127.749,12.5 128.249,12.5 128.749,12.5 129.249,12.5 129.749,12.5 130.249,12.5 130.749,12.5 131.249,12.5 131.749,12.5 132.249,12.5 132.749,12.5 135.749,12.5 140.249,12.5 140.749,12.5 141.249,12.5 141.749,12.5 142.249,12.5 142.749,12.5 143.249,12.5 143.749,12.5 101.999,13 102.499,13 102.999,13 103.499,13 103.999,13 104.499,13 104.999,13 105.499,13 105.999,13 106.499,13 106.999,13 107.499,13 107.999,13 108.499,13 108.999,13 109.499,13 109.999,13 111.499,13 111.999,13 112.499,13 112.999,13 113.499,13 113.999,13 114.499,13 114.999,13 115.499,13 115.999,13 116.499,13 116.999,13 117.499,13 117.999,13 118.499,13 118.999,13 119.499,13 119.999,13 120.499,13 120.999,13 121.499,13 121.999,13 122.499,13 122.999,13 123.499,13 123.999,13 124.499,13 124.999,13 125.499,13 125.999,13 126.499,13 126.999,13 127.499,13 127.999,13 128.499,13 128.999,13 129.499,13 129.999,13 130.499,13 130.999,13 131.499,13 131.999,13 132.499,13 135.499,13 135.999,13 136.499,13 136.999,13 137.499,13 137.999,13 138.499,13 138.999,13 139.499,13 139.999,13 140.499,13 140.999,13 141.499,13 141.999,13 142.499,13 142.999,13 143.499,13 143.999,13 102.249,13.5 102.749,13.5 103.249,13.5 103.749,13.5 104.249,13.5 104.749,13.5 105.249,13.5 105.749,13.5 106.249,13.5 106.749,13.5 107.249,13.5 107.749,13.5 108.249,13.5 108.749,13.5 109.249,13.5 109.749,13.5 110.249,13.5 111.749,13.5 112.249,13.5 112.749,13.5 113.249,13.5 113.749,13.5 114.249,13.5 114.749,13.5 115.249,13.5 115.749,13.5 116.249,13.5 116.749,13.5 117.249,13.5 117.749,13.5 118.249,13.5 118.749,13.5 119.249,13.5 119.749,13.5 120.249,13.5 120.749,13.5 121.249,13.5 121.749,13.5 122.249,13.5 122.749,13.5 123.249,13.5 123.749,13.5 124.249,13.5 124.749,13.5 125.249,13.5 125.749,13.5 126.249,13.5 126.749,13.5 127.249,13.5 127.749,13.5 128.249,13.5 128.749,13.5 129.249,13.5 129.749,13.5 130.249,13.5 130.749,13.5 131.249,13.5 131.749,13.5 132.249,13.5 132.749,13.5 135.749,13.5 136.249,13.5 136.749,13.5 137.249,13.5 137.749,13.5 138.249,13.5 138.749,13.5 139.249,13.5 139.749,13.5 140.249,13.5 140.749,13.5 141.249,13.5 141.749,13.5 142.249,13.5 142.749,13.5 143.249,13.5 143.749,13.5 101.999,14 102.499,14 102.999,14 103.499,14 103.999,14 104.499,14 104.999,14 105.499,14 105.999,14 106.499,14 106.999,14 107.499,14 107.999,14 108.499,14 108.999,14 109.499,14 109.999,14 111.499,14 111.999,14 112.499,14 112.999,14 113.499,14 113.999,14 114.499,14 114.999,14 115.499,14 115.999,14 116.499,14 116.999,14 117.499,14 117.999,14 118.499,14 118.999,14 119.499,14 119.999,14 120.499,14 120.999,14 121.499,14 121.999,14 122.499,14 122.999,14 123.499,14 123.999,14 124.499,14 124.999,14 125.499,14 125.999,14 126.499,14 126.999,14 127.499,14 127.999,14 128.499,14 128.999,14 129.499,14 129.999,14 130.499,14 130.999,14 131.499,14 131.999,14 132.499,14 132.999,14 133.499,14 134.999,14 135.499,14 135.999,14 136.499,14 136.999,14 137.499,14 137.999,14 138.499,14 138.999,14 139.499,14 139.999,14 140.499,14 140.999,14 141.499,14 141.999,14 142.499,14 142.999,14 143.499,14 143.999,14 102.249,14.5 102.749,14.5 103.249,14.5 103.749,14.5 104.249,14.5 104.749,14.5 105.249,14.5 105.749,14.5 106.249,14.5 106.749,14.5 107.249,14.5 107.749,14.5 108.249,14.5 108.749,14.5 109.249,14.5 109.749,14.5 110.249,14.5 111.749,14.5 112.249,14.5 112.749,14.5 113.249,14.5 113.749,14.5 114.249,14.5 114.749,14.5 115.249,14.5 115.749,14.5 116.249,14.5 116.749,14.5 117.249,14.5 117.749,14.5 118.249,14.5 118.749,14.5 119.249,14.5 119.749,14.5 120.249,14.5 120.749,14.5 121.249,14.5 121.749,14.5 122.249,14.5 122.749,14.5 123.249,14.5 123.749,14.5 124.249,14.5 124.749,14.5 125.249,14.5 125.749,14.5 126.249,14.5 126.749,14.5 127.249,14.5 127.749,14.5 128.249,14.5 128.749,14.5 129.249,14.5 129.749,14.5 130.249,14.5 130.749,14.5 131.249,14.5 131.749,14.5 132.249,14.5 132.749,14.5 133.249,14.5 134.749,14.5 135.249,14.5 135.749,14.5 136.249,14.5 136.749,14.5 137.249,14.5 137.749,14.5 138.249,14.5 138.749,14.5 139.249,14.5 139.749,14.5 140.249,14.5 140.749,14.5 141.249,14.5 141.749,14.5 142.249,14.5 142.749,14.5 143.249,14.5 143.749,14.5